# Altium PCB Goldstrike1_Rev01.PcbDoc (part 1 of 7)
Units mm, origin at the board's own origin, x right, y up, seen from the top; angles counter-clockwise.
Board outline 119.3 x 255 mm, 4 copper layers (L1, L2, L3, L4), stack 1.577 mm thick; 722 components, 224 nets, 4532 pads, 1329 vias.
Unrouted connection lines stored in the file: 147.
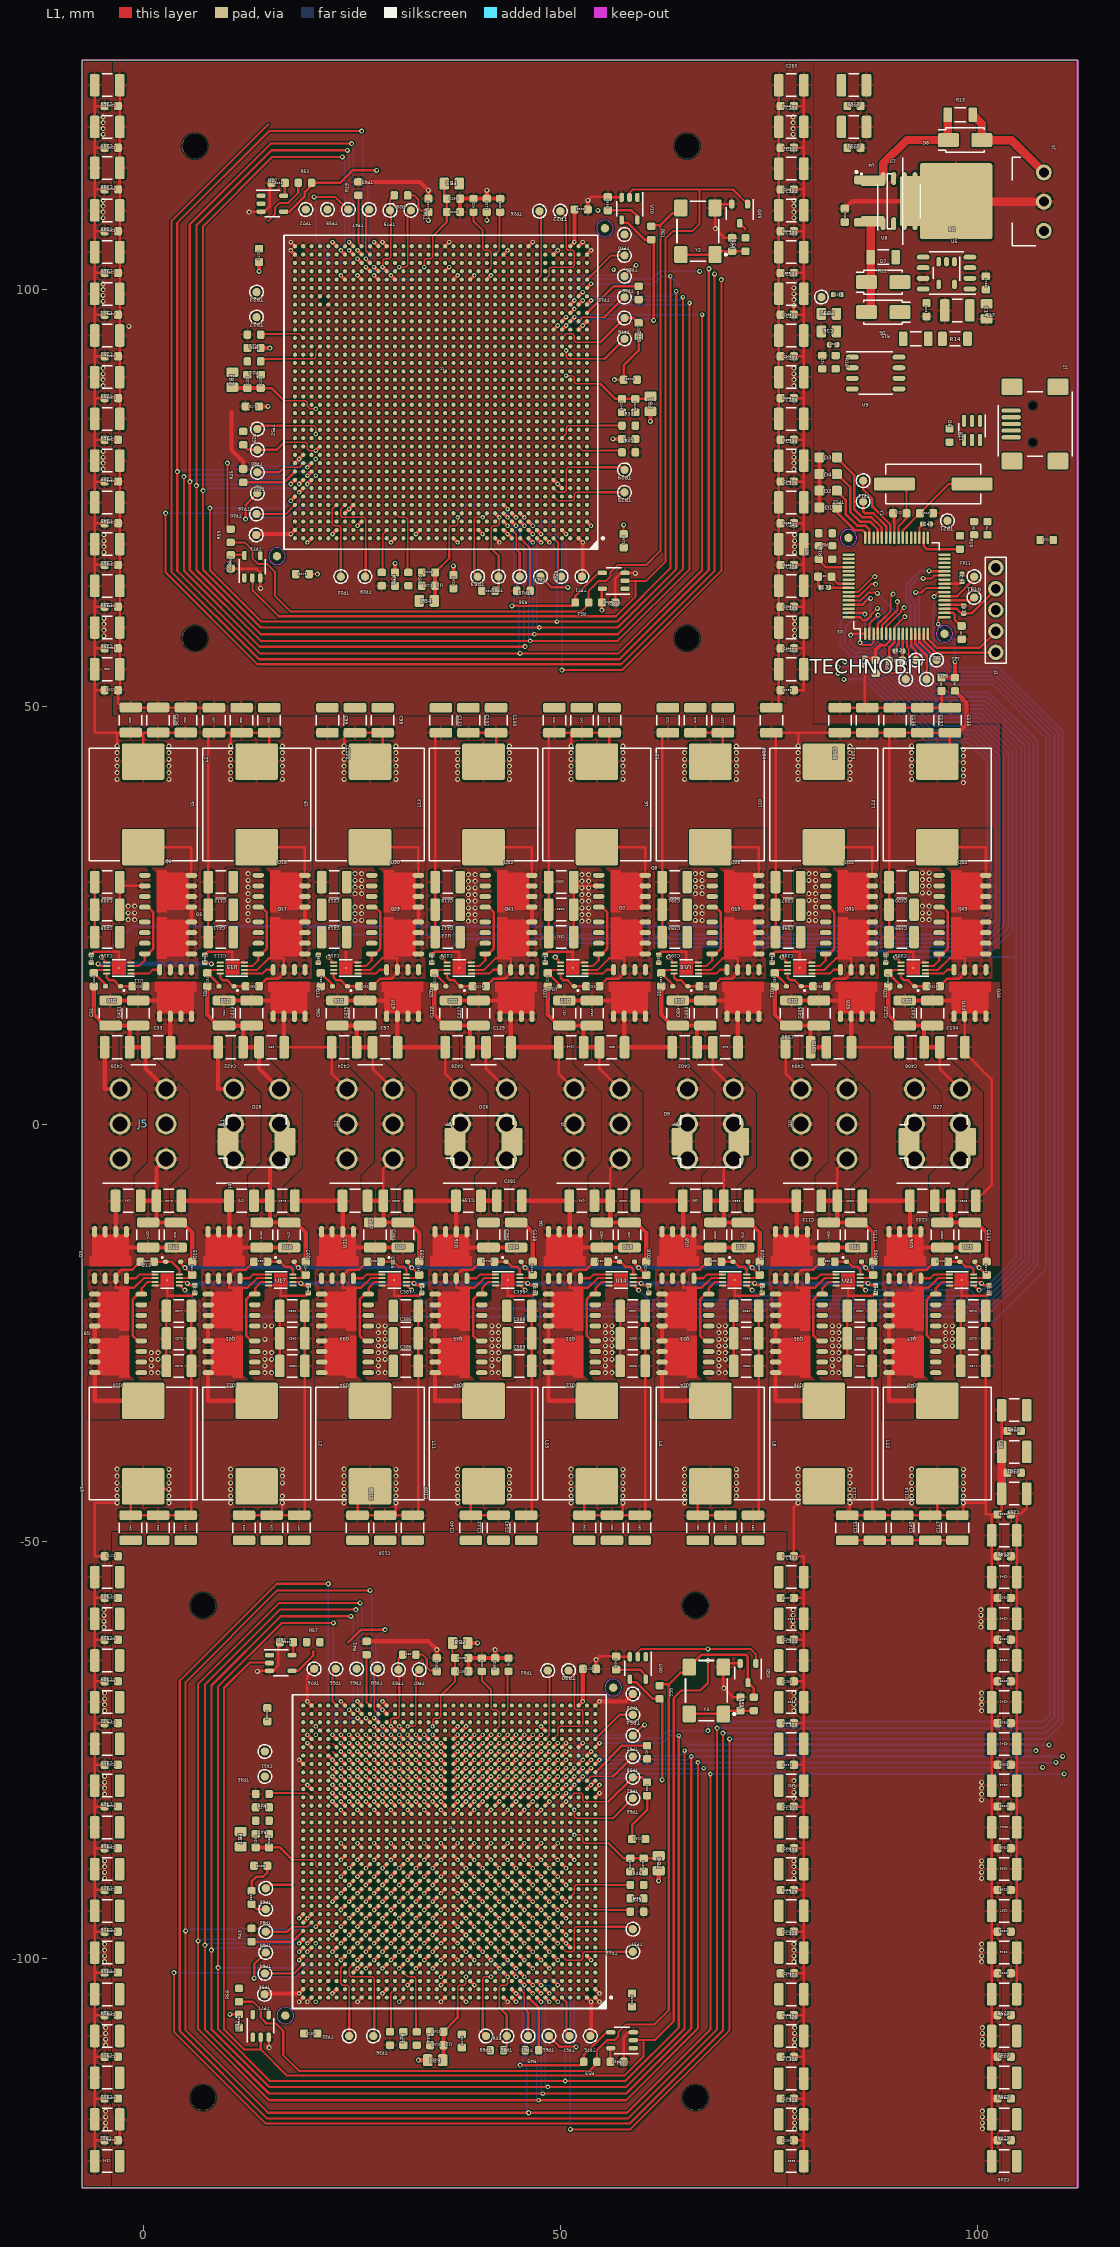
[diagram p0: L1 view]
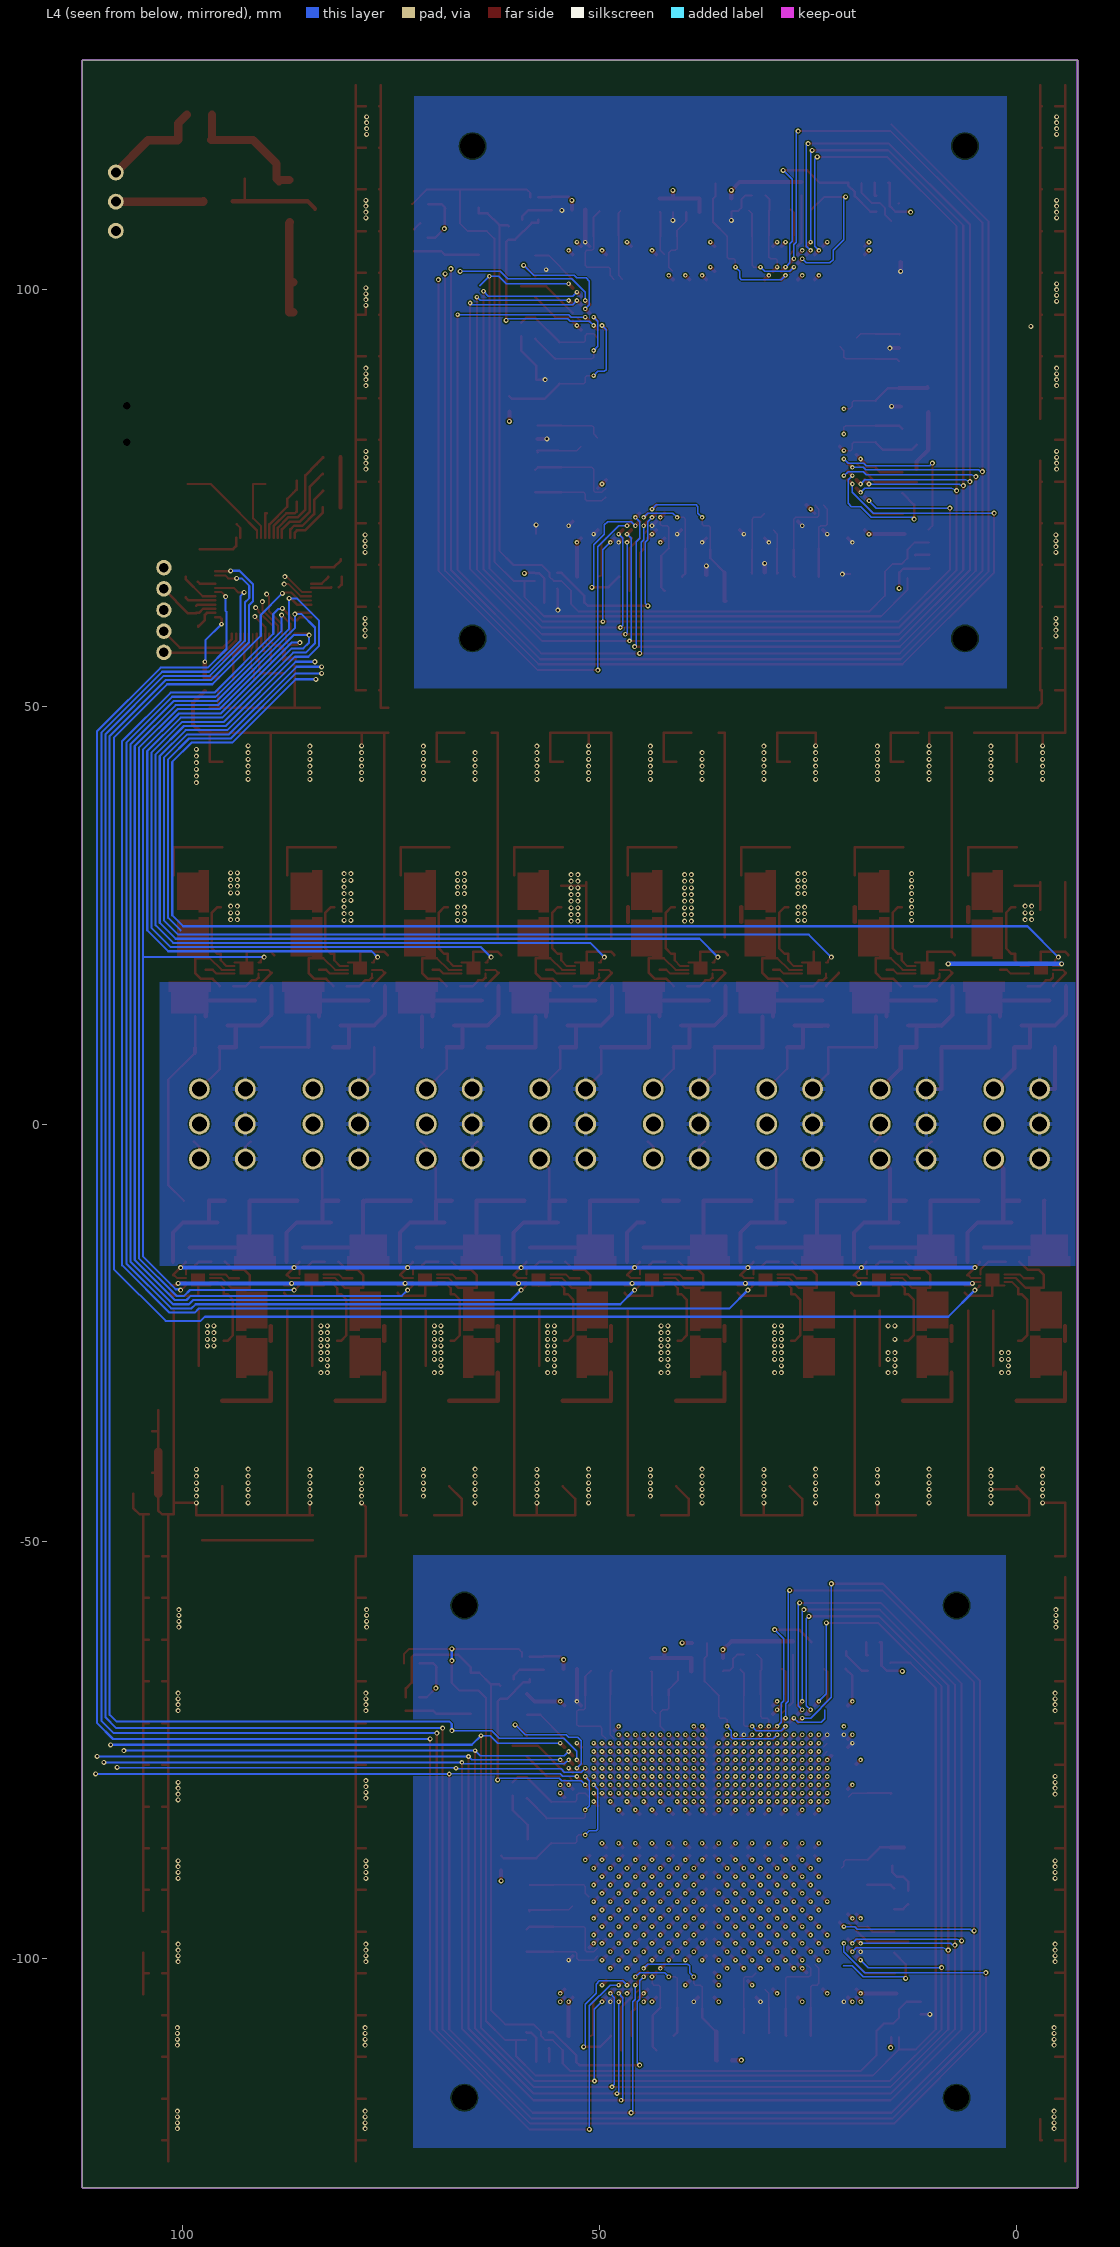
[diagram p1: L4 view, seen from below]
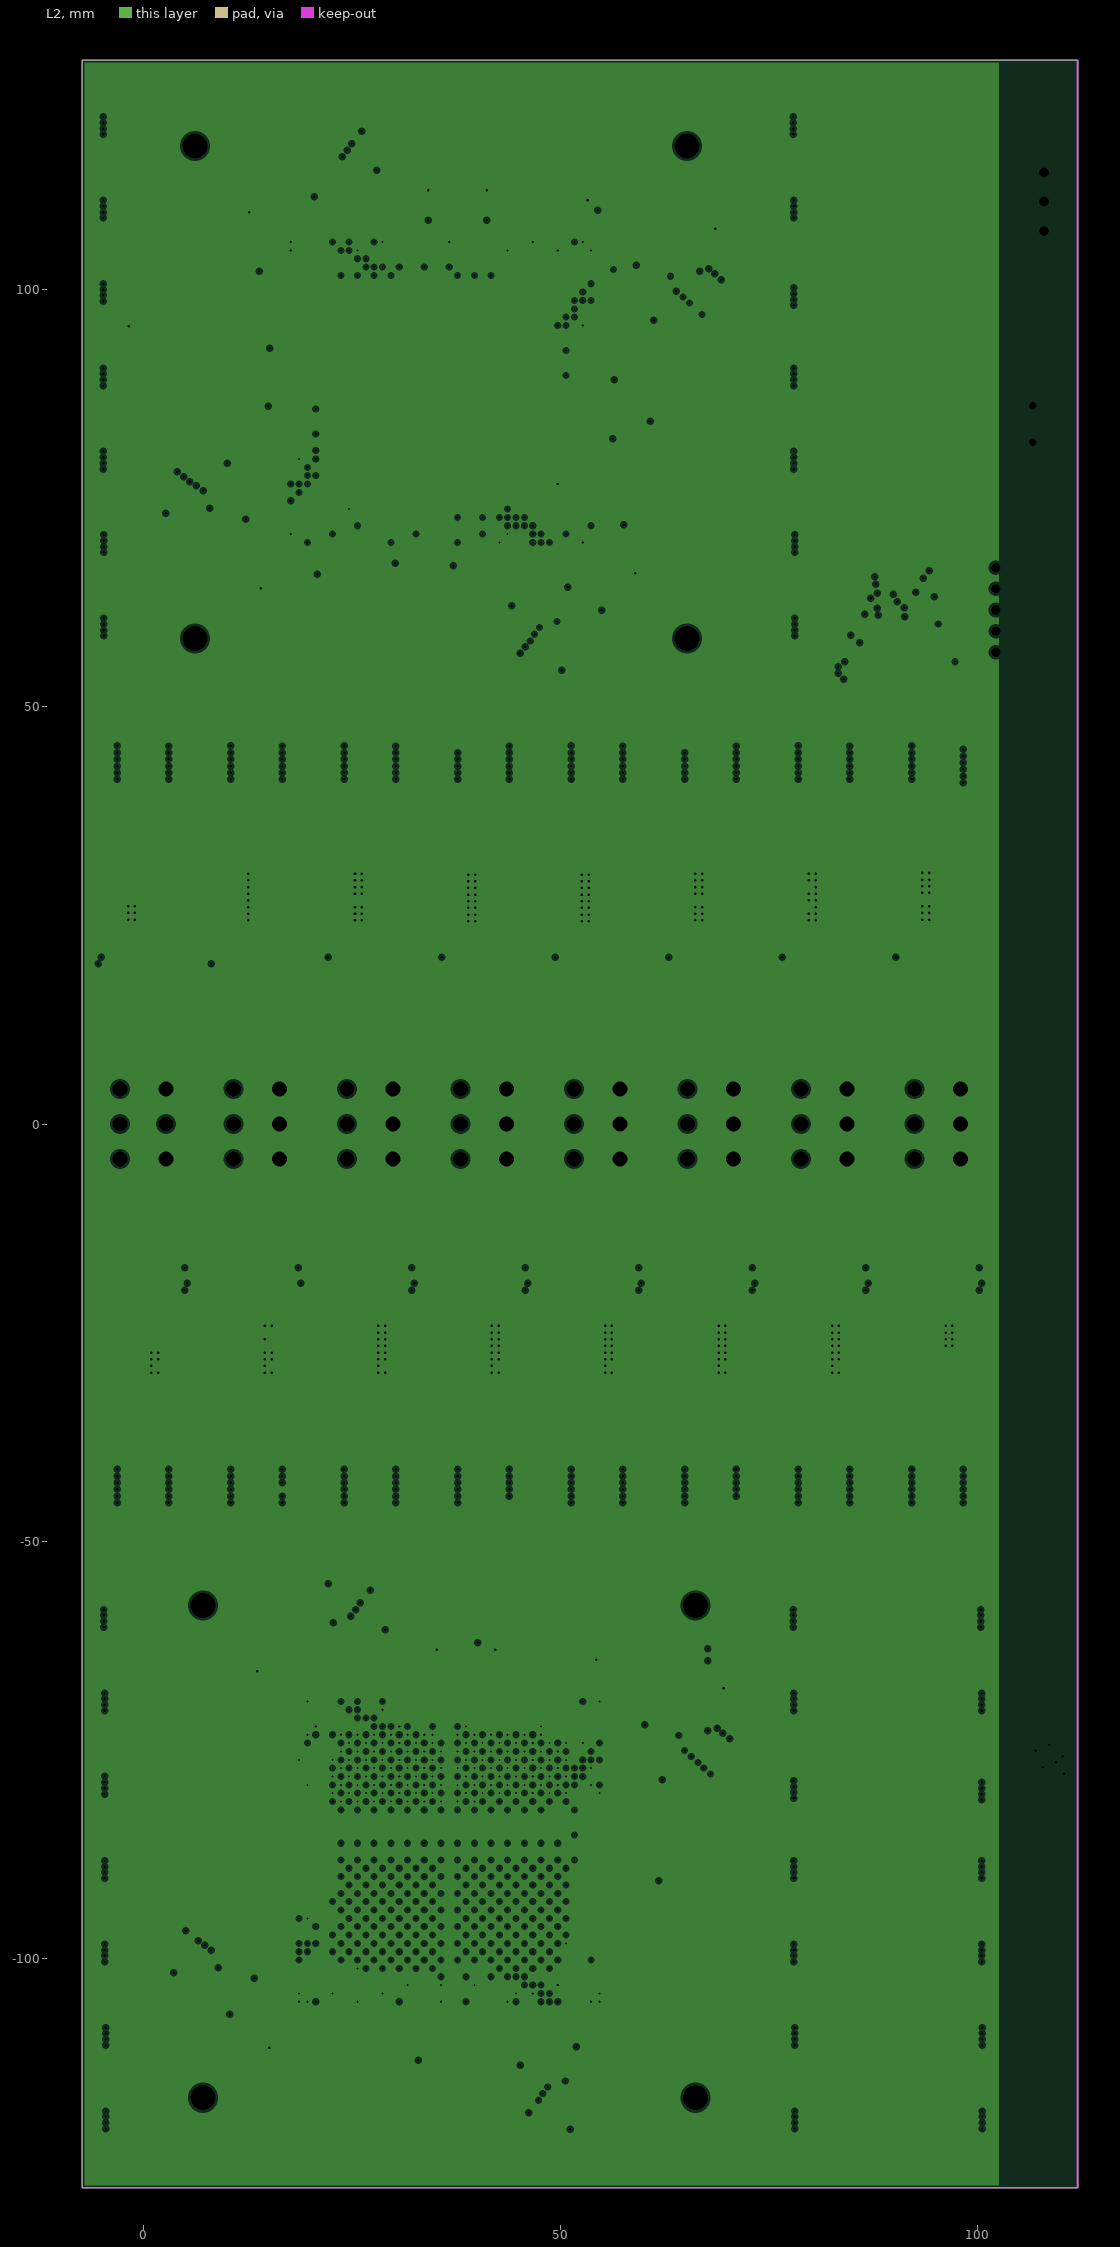
[diagram p2: L2, clearances drawn from the general rule]
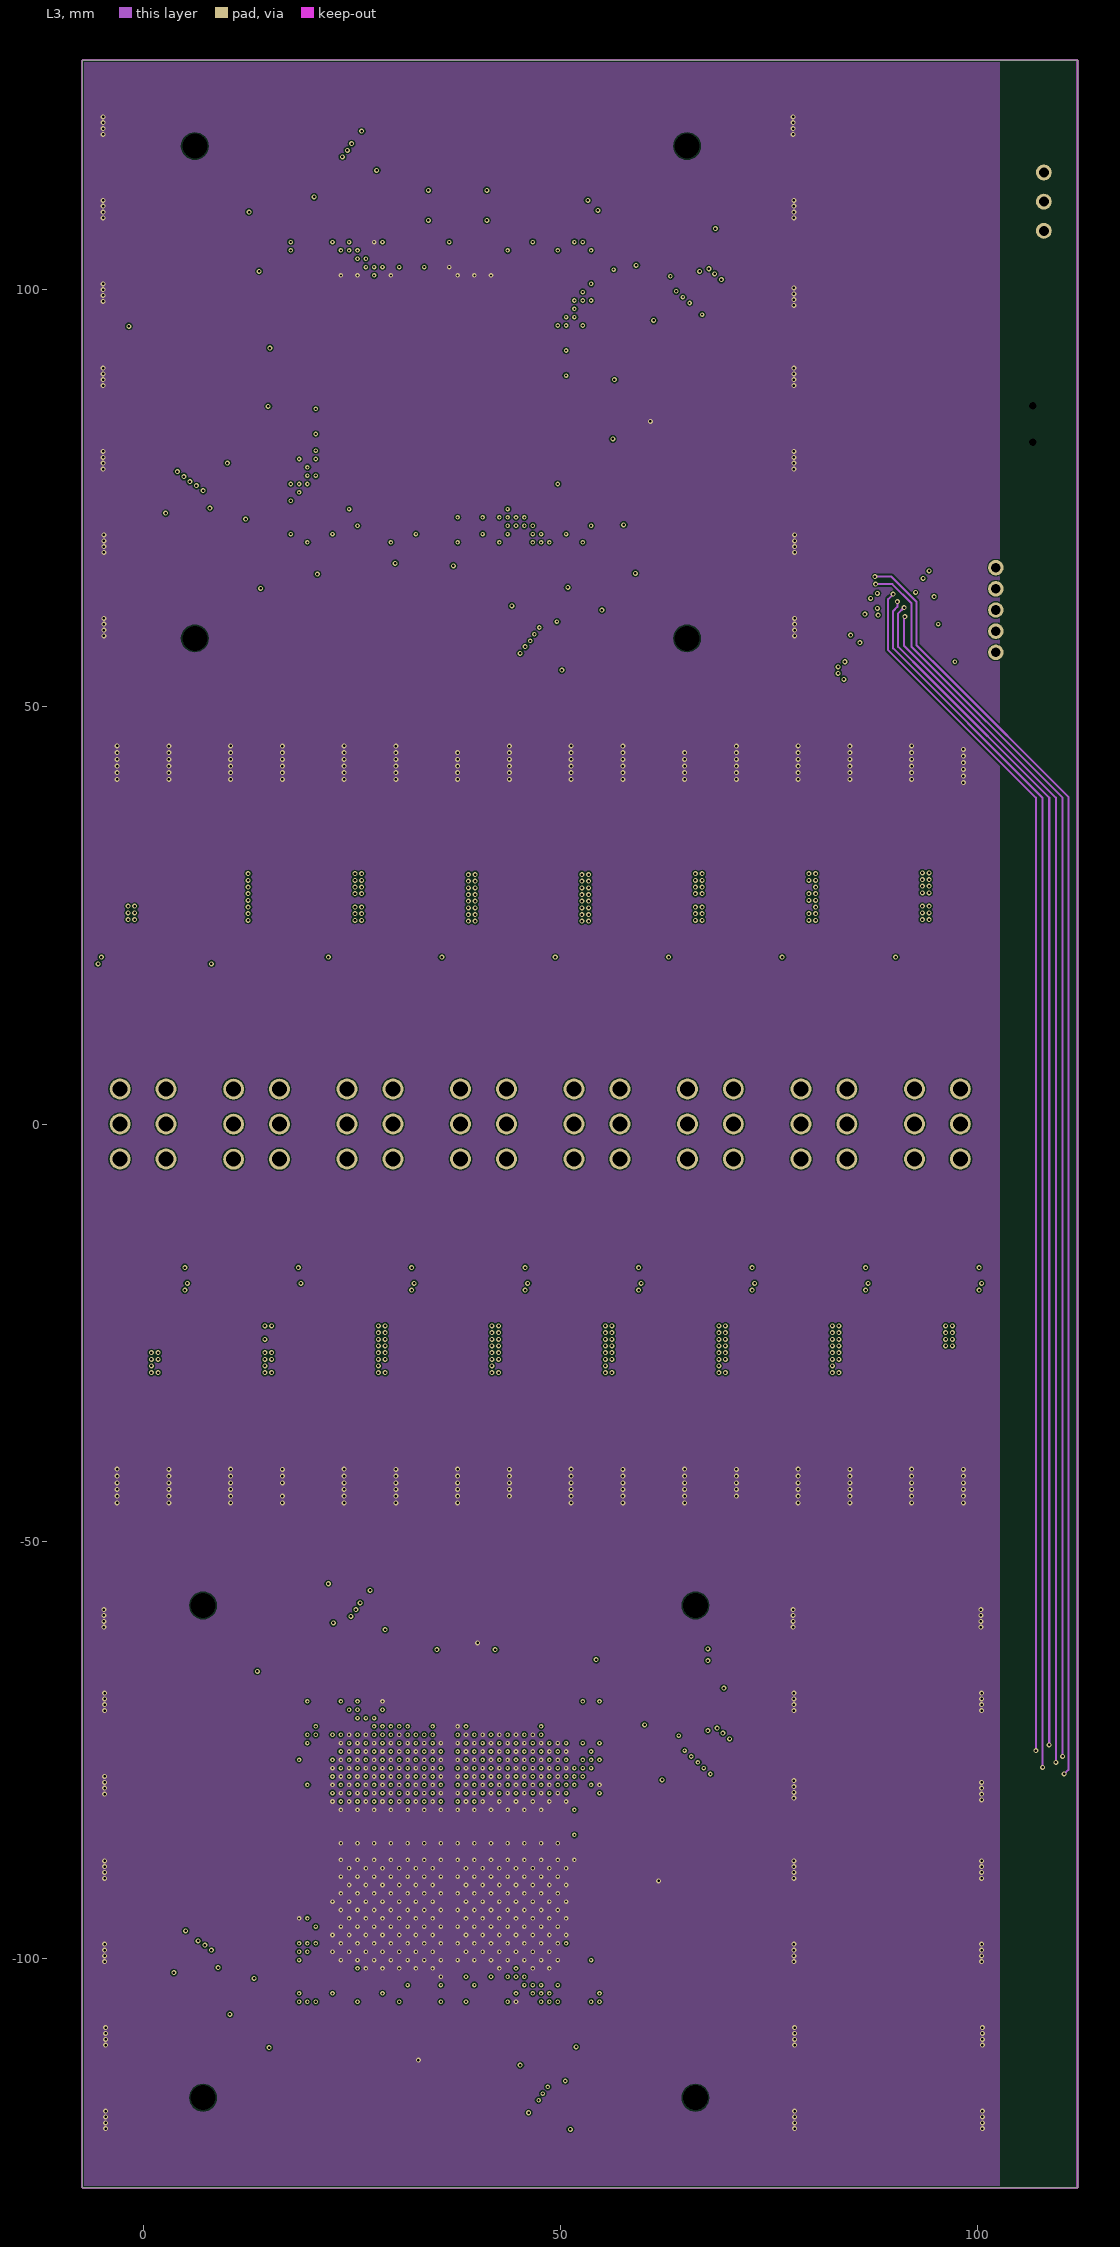
[diagram p3: L3]
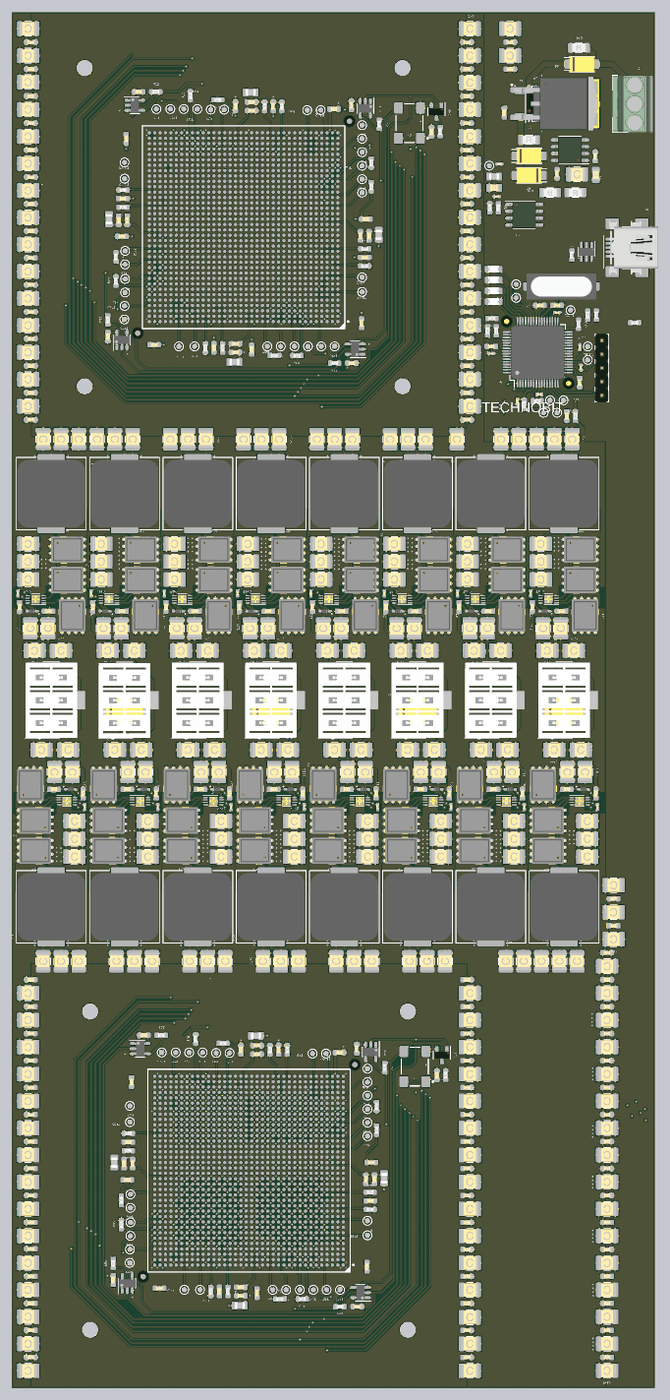
[diagram p10: 3D render of the assembled board from above, using the file's embedded part models]

## Layer stack, top to bottom
L1: signal copper 0.0335
Dielectric: dielectric 0.18, FR-4, Dk 4.75
L2: plane copper 0.035
Dielectric: dielectric 1.08, FR-4, Dk 4.75
L3: signal copper 0.035
Dielectric: dielectric 0.18, FR-4, Dk 4.75
L4: signal copper 0.0335

## Board outline
-7.3,127.5 112,127.5 112,-127.5 -7.3,-127.5

## Design rules (kind name [scope] priority, off if disabled: settings)
Clearance "'All on Layer' PADS rule_60" [OnLayer('L2') vs OnLayer('L2')] p1: gap=0.25
Clearance "'All on Layer' PADS rule_59" [OnLayer('L2') And InPolygon vs OnLayer('L2') And InPolygon] p2: gap=0.3
Clearance "'All on Layer' PADS rule_58" [OnLayer('L2') vs OnLayer('L2')] p3: gap=0.25
Clearance "'All on Layer' PADS rule_57" [OnLayer('L2') And IsSMTPin vs OnLayer('L2') And IsSMTPin] p4: gap=0.15
Clearance "'All on Layer' PADS rule_56" [OnLayer('L2') And IsThruPin vs OnLayer('L2') And IsSMTPin] p5: gap=0.25
Clearance "'All on Layer' PADS rule_55" [OnLayer('L2') And IsSMTPin vs OnLayer('L2') And IsThruPin] p6: gap=0.15
Clearance "'All on Layer' PADS rule_54" [OnLayer('L2') And IsVia vs OnLayer('L2') And IsSMTPin] p7: gap=0.25
Clearance "'All on Layer' PADS rule_53" [OnLayer('L2') And IsSMTPin vs OnLayer('L2') And IsVia] p8: gap=0.15
Clearance "'All on Layer' PADS rule_52" [OnLayer('L2') And (IsTrack Or IsArc) vs OnLayer('L2') And IsSMTPin] p9: gap=0.25
Clearance "'All on Layer' PADS rule_51" [OnLayer('L2') And IsSMTPin vs OnLayer('L2') And (IsTrack Or IsArc)] p10: gap=0.15
Clearance "'All on Layer' PADS rule_50" [OnLayer('L2') vs OnLayer('L2') And (IsTrack Or IsArc Or IsThruPin Or IsSMTPin Or IsVia Or IsFill Or InPolygon)] p11: gap=0.25
Clearance "'All on Layer' PADS rule_47" [OnLayer('L2') And IsVia vs OnLayer('L2') And IsVia] p12: gap=0.1
Clearance "'All on Layer' PADS rule_45" [OnLayer('L3') vs OnLayer('L3')] p13: gap=0.25
Clearance "'All on Layer' PADS rule_44" [OnLayer('L3') And InPolygon vs OnLayer('L3') And InPolygon] p14: gap=0.3
Clearance "'All on Layer' PADS rule_43" [OnLayer('L3') vs OnLayer('L3')] p15: gap=0.25
Clearance "'All on Layer' PADS rule_42" [OnLayer('L3') And IsSMTPin vs OnLayer('L3') And IsSMTPin] p16: gap=0.15
Clearance "'All on Layer' PADS rule_41" [OnLayer('L3') And IsThruPin vs OnLayer('L3') And IsSMTPin] p17: gap=0.25
Clearance "'All on Layer' PADS rule_40" [OnLayer('L3') And IsSMTPin vs OnLayer('L3') And IsThruPin] p18: gap=0.15
Clearance "'All on Layer' PADS rule_39" [OnLayer('L3') And IsVia vs OnLayer('L3') And IsSMTPin] p19: gap=0.25
Clearance "'All on Layer' PADS rule_38" [OnLayer('L3') And IsSMTPin vs OnLayer('L3') And IsVia] p20: gap=0.15
Clearance "'All on Layer' PADS rule_37" [OnLayer('L3') And (IsTrack Or IsArc) vs OnLayer('L3') And IsSMTPin] p21: gap=0.25
Clearance "'All on Layer' PADS rule_36" [OnLayer('L3') And IsSMTPin vs OnLayer('L3') And (IsTrack Or IsArc)] p22: gap=0.15
Clearance "'All on Layer' PADS rule_35" [OnLayer('L3') vs OnLayer('L3') And (IsTrack Or IsArc Or IsThruPin Or IsSMTPin Or IsVia Or IsFill Or InPolygon)] p23: gap=0.25
Clearance "'All on Layer' PADS rule_32" [OnLayer('L3') And IsVia vs OnLayer('L3') And IsVia] p24: gap=0.1
Clearance "'Default' PADS rule_31" [All] p25: gap=0.15
Clearance "'Default' PADS rule_30" [InPolygon vs InPolygon] p26: gap=0.3
Clearance "'Default' PADS rule_29" [All] p27: gap=0.15
Clearance "'Default' PADS rule_28" [IsThruPin vs IsThruPin] p28: gap=0.2
Clearance "'Default' PADS rule_27" [IsVia vs IsThruPin] p29: gap=0.15
Clearance "'Default' PADS rule_26" [IsThruPin vs IsVia] p30: gap=0.2
Clearance "'Default' PADS rule_25" [(IsTrack Or IsArc) vs IsThruPin] p31: gap=0.15
Clearance "'Default' PADS rule_24" [IsThruPin vs (IsTrack Or IsArc)] p32: gap=0.2
Clearance "'Default' PADS rule_23" [All] p33: gap=0.15
Clearance "'Default' PADS rule_22" [IsVia vs IsVia] p34: gap=0.1
Clearance "'Default' PADS rule_21" [All] p35: gap=0.15
Clearance "'Default' PADS rule_20" [(IsTrack Or IsArc) vs (IsTrack Or IsArc)] p36: gap=0.2
Clearance "'Default' PADS rule_19" [All] p37: gap=0.15
Clearance "'Default' PADS rule_16" [IsVia vs IsVia] p38: gap=0.1
ComponentClearance "'Default' PADS rule_13" [All] p1: gap=0 collisioncheckmode=3 verticalgap=0.254 showdistances=FALSE
FlightTimeFalling "'Default' PADS rule_11" [All] p1: maximum=10.00
FlightTimeRising "'Default' PADS rule_10" [All] p1: maximum=10.00
Length "'Default' PADS rule_5" [All] p1: maxlimit=1270 minlimit=0
MatchedLengths "'Default' PADS rule_12" [InNetClass('All Nets')] p1: tolerance=5.08 checknetsindiffpair=TRUE checkdiffpairvsdiffpair=TRUE checkothers=TRUE
MaxMinImpedance "'Default' PADS rule_9" [All] p1: minimum=50.00 maximum=150.0
ParallelSegment "'Default' PADS rule_8" [All] p1: limit=25.4 gap=5.08
ParallelSegment "'Default' PADS rule_7" [All] p2: limit=25.4 gap=5.08
PlaneClearance "Power Plane Clearance for J7-5" [(Name='J7-5') Or (Name='J7-6') Or (Name='J8-1') Or (Name='J8-2') Or (Name='J8-3') Or (Name='J8-4') Or (Name='J8-5') Or (Name='J8-6')] p1: clearance=0.5 // PAD - Power Plane Clearance
PlaneClearance "Power Plane Clearance for J2-10" [(Name='J2-10') Or (Name='J2-11')] p2: clearance=0.4 // PAD - Power Plane Clearance
PlaneClearance "Power Plane Clearance for 11-1" [(Name='11-1') Or (Name='11-2') Or (Name='11-3') Or (Name='11-4') Or (Name='21-1') Or (Name='21-2') Or (Name='21-3') Or (Name='21-4') Or (Name='J1-1') Or (Name='J1-2') Or (Name='J1-3') Or (Name='J1-4') Or (Name='J1-5') Or (Name='J10-1') Or (Name='J10-2') Or (Name='J10-3') Or (Name='J10-4') Or (Name='J10-5') Or (Name='J10-6') Or (Name='J11-1') Or (Name='J11-2') Or (Name='J11-3') Or (Name='J11-4') Or (Name='J11-5') Or (Name='J11-6') Or (Name='J12-1') Or (Name='J12-2') Or (Name='J12-3') Or (Name='J12-4') Or (Name='J12-5') Or (Name='J12-6') Or (Name='J3-1') Or (Name='J3-2') Or (Name='J3-3') Or (Name='J4-1') Or (Name='J4-2') Or (Name='J4-3') Or (Name='J4-4') Or (Name='J4-5') Or (Name='J4-6') Or (Name='J5-1') Or (Name='J5-2') Or (Name='J5-3') Or (Name='J5-4') Or (Name='J5-5') Or (Name='J5-6') Or (Name='J6-1') Or (Name='J6-2') Or (Name='J6-3') Or (Name='J6-4') Or (Name='J6-5') Or (Name='J6-6') Or (Name='J7-1') Or (Name='J7-2') Or (Name='J7-3') Or (Name='J7-4')] p3: clearance=0.5 // PAD - Power Plane Clearance
PlaneClearance "'Default' PADS rule_15" [All] p4: clearance=0.3
PlaneConnect [All] p1: planeconnectstyle=Direct reliefexpansion=0.508 reliefentries=4 reliefconductorwidth=0.254 reliefairgap=0.254
PlaneConnect "Power Plane Connect Style for VIA55-25-75" [IsVia And (ViaDiameter=21.654) And (HoleSize=9.842)] p2: planeconnectstyle=Direct reliefexpansion=0.15 reliefentries=4 reliefconductorwidth=0.5 reliefairgap=0.254
PlaneConnect "Power Plane Connect Style for J8-6" [(Name='J8-6')] p3: planeconnectstyle=Relief reliefexpansion=0.3 reliefentries=4 reliefconductorwidth=0.38 reliefairgap=0.254
PlaneConnect "Power Plane Connect Style for J8-5" [(Name='J8-5')] p4: planeconnectstyle=Relief reliefexpansion=0.3 reliefentries=4 reliefconductorwidth=0.38 reliefairgap=0.254
PlaneConnect "Power Plane Connect Style for J8-4" [(Name='J8-4')] p5: planeconnectstyle=Relief reliefexpansion=0.3 reliefentries=4 reliefconductorwidth=0.38 reliefairgap=0.254
PlaneConnect "Power Plane Connect Style for J8-3" [(Name='J8-3')] p6: planeconnectstyle=Relief reliefexpansion=0.3 reliefentries=4 reliefconductorwidth=0.38 reliefairgap=0.254
PlaneConnect "Power Plane Connect Style for J8-2" [(Name='J8-2')] p7: planeconnectstyle=Relief reliefexpansion=0.3 reliefentries=4 reliefconductorwidth=0.38 reliefairgap=0.254
PlaneConnect "Power Plane Connect Style for J8-1" [(Name='J8-1')] p8: planeconnectstyle=Relief reliefexpansion=0.3 reliefentries=4 reliefconductorwidth=0.38 reliefairgap=0.254
PlaneConnect "Power Plane Connect Style for J7-6" [(Name='J7-6')] p9: planeconnectstyle=Relief reliefexpansion=0.3 reliefentries=4 reliefconductorwidth=0.38 reliefairgap=0.254
PlaneConnect "Power Plane Connect Style for J7-5" [(Name='J7-5')] p10: planeconnectstyle=Relief reliefexpansion=0.3 reliefentries=4 reliefconductorwidth=0.38 reliefairgap=0.254
PlaneConnect "Power Plane Connect Style for J7-4" [(Name='J7-4')] p11: planeconnectstyle=Relief reliefexpansion=0.3 reliefentries=4 reliefconductorwidth=0.38 reliefairgap=0.254
PlaneConnect "Power Plane Connect Style for J7-3" [(Name='J7-3')] p12: planeconnectstyle=Relief reliefexpansion=0.3 reliefentries=4 reliefconductorwidth=0.38 reliefairgap=0.254
PlaneConnect "Power Plane Connect Style for J7-2" [(Name='J7-2')] p13: planeconnectstyle=Relief reliefexpansion=0.3 reliefentries=4 reliefconductorwidth=0.38 reliefairgap=0.254
PlaneConnect "Power Plane Connect Style for J7-1" [(Name='J7-1')] p14: planeconnectstyle=Relief reliefexpansion=0.3 reliefentries=4 reliefconductorwidth=0.38 reliefairgap=0.254
PlaneConnect "Power Plane Connect Style for J6-6" [(Name='J6-6')] p15: planeconnectstyle=Relief reliefexpansion=0.3 reliefentries=4 reliefconductorwidth=0.38 reliefairgap=0.254
PlaneConnect "Power Plane Connect Style for J6-5" [(Name='J6-5')] p16: planeconnectstyle=Relief reliefexpansion=0.3 reliefentries=4 reliefconductorwidth=0.38 reliefairgap=0.254
PlaneConnect "Power Plane Connect Style for J6-4" [(Name='J6-4')] p17: planeconnectstyle=Relief reliefexpansion=0.3 reliefentries=4 reliefconductorwidth=0.38 reliefairgap=0.254
PlaneConnect "Power Plane Connect Style for J6-3" [(Name='J6-3')] p18: planeconnectstyle=Relief reliefexpansion=0.3 reliefentries=4 reliefconductorwidth=0.38 reliefairgap=0.254
PlaneConnect "Power Plane Connect Style for J6-2" [(Name='J6-2')] p19: planeconnectstyle=Relief reliefexpansion=0.3 reliefentries=4 reliefconductorwidth=0.38 reliefairgap=0.254
PlaneConnect "Power Plane Connect Style for J6-1" [(Name='J6-1')] p20: planeconnectstyle=Relief reliefexpansion=0.3 reliefentries=4 reliefconductorwidth=0.38 reliefairgap=0.254
PlaneConnect "Power Plane Connect Style for J5-6" [(Name='J5-6')] p21: planeconnectstyle=Relief reliefexpansion=0.3 reliefentries=4 reliefconductorwidth=0.38 reliefairgap=0.254
PlaneConnect "Power Plane Connect Style for J5-4" [(Name='J5-4')] p22: planeconnectstyle=Relief reliefexpansion=0.3 reliefentries=4 reliefconductorwidth=0.38 reliefairgap=0.254
PlaneConnect "Power Plane Connect Style for J5-3" [(Name='J5-3')] p23: planeconnectstyle=Relief reliefexpansion=0.3 reliefentries=4 reliefconductorwidth=0.38 reliefairgap=0.254
PlaneConnect "Power Plane Connect Style for J5-2" [(Name='J5-2')] p24: planeconnectstyle=Relief reliefexpansion=0.3 reliefentries=4 reliefconductorwidth=0.38 reliefairgap=0.254
PlaneConnect "Power Plane Connect Style for J5-1" [(Name='J5-1')] p25: planeconnectstyle=Relief reliefexpansion=0.3 reliefentries=4 reliefconductorwidth=0.38 reliefairgap=0.254
PlaneConnect "Power Plane Connect Style for J4-6" [(Name='J4-6')] p26: planeconnectstyle=Relief reliefexpansion=0.3 reliefentries=4 reliefconductorwidth=0.38 reliefairgap=0.254
PlaneConnect "Power Plane Connect Style for J4-5" [(Name='J4-5')] p27: planeconnectstyle=Relief reliefexpansion=0.3 reliefentries=4 reliefconductorwidth=0.38 reliefairgap=0.254
PlaneConnect "Power Plane Connect Style for J4-4" [(Name='J4-4')] p28: planeconnectstyle=Relief reliefexpansion=0.3 reliefentries=4 reliefconductorwidth=0.38 reliefairgap=0.254
PlaneConnect "Power Plane Connect Style for J4-3" [(Name='J4-3')] p29: planeconnectstyle=Relief reliefexpansion=0.3 reliefentries=4 reliefconductorwidth=0.38 reliefairgap=0.254
PlaneConnect "Power Plane Connect Style for J4-2" [(Name='J4-2')] p30: planeconnectstyle=Relief reliefexpansion=0.3 reliefentries=4 reliefconductorwidth=0.38 reliefairgap=0.254
PlaneConnect "Power Plane Connect Style for J4-1" [(Name='J4-1')] p31: planeconnectstyle=Relief reliefexpansion=0.3 reliefentries=4 reliefconductorwidth=0.38 reliefairgap=0.254
PlaneConnect "Power Plane Connect Style for J3-1" [(Name='J3-1')] p32: planeconnectstyle=Relief reliefexpansion=0.3 reliefentries=4 reliefconductorwidth=0.29 reliefairgap=0.2
PlaneConnect "Power Plane Connect Style for J12-6" [(Name='J12-6')] p33: planeconnectstyle=Relief reliefexpansion=0.3 reliefentries=4 reliefconductorwidth=0.38 reliefairgap=0.254
PlaneConnect "Power Plane Connect Style for J12-5" [(Name='J12-5')] p34: planeconnectstyle=Relief reliefexpansion=0.3 reliefentries=4 reliefconductorwidth=0.38 reliefairgap=0.254
PlaneConnect "Power Plane Connect Style for J12-4" [(Name='J12-4')] p35: planeconnectstyle=Relief reliefexpansion=0.3 reliefentries=4 reliefconductorwidth=0.38 reliefairgap=0.254